# KiCad board revxlp.kicad_pcb
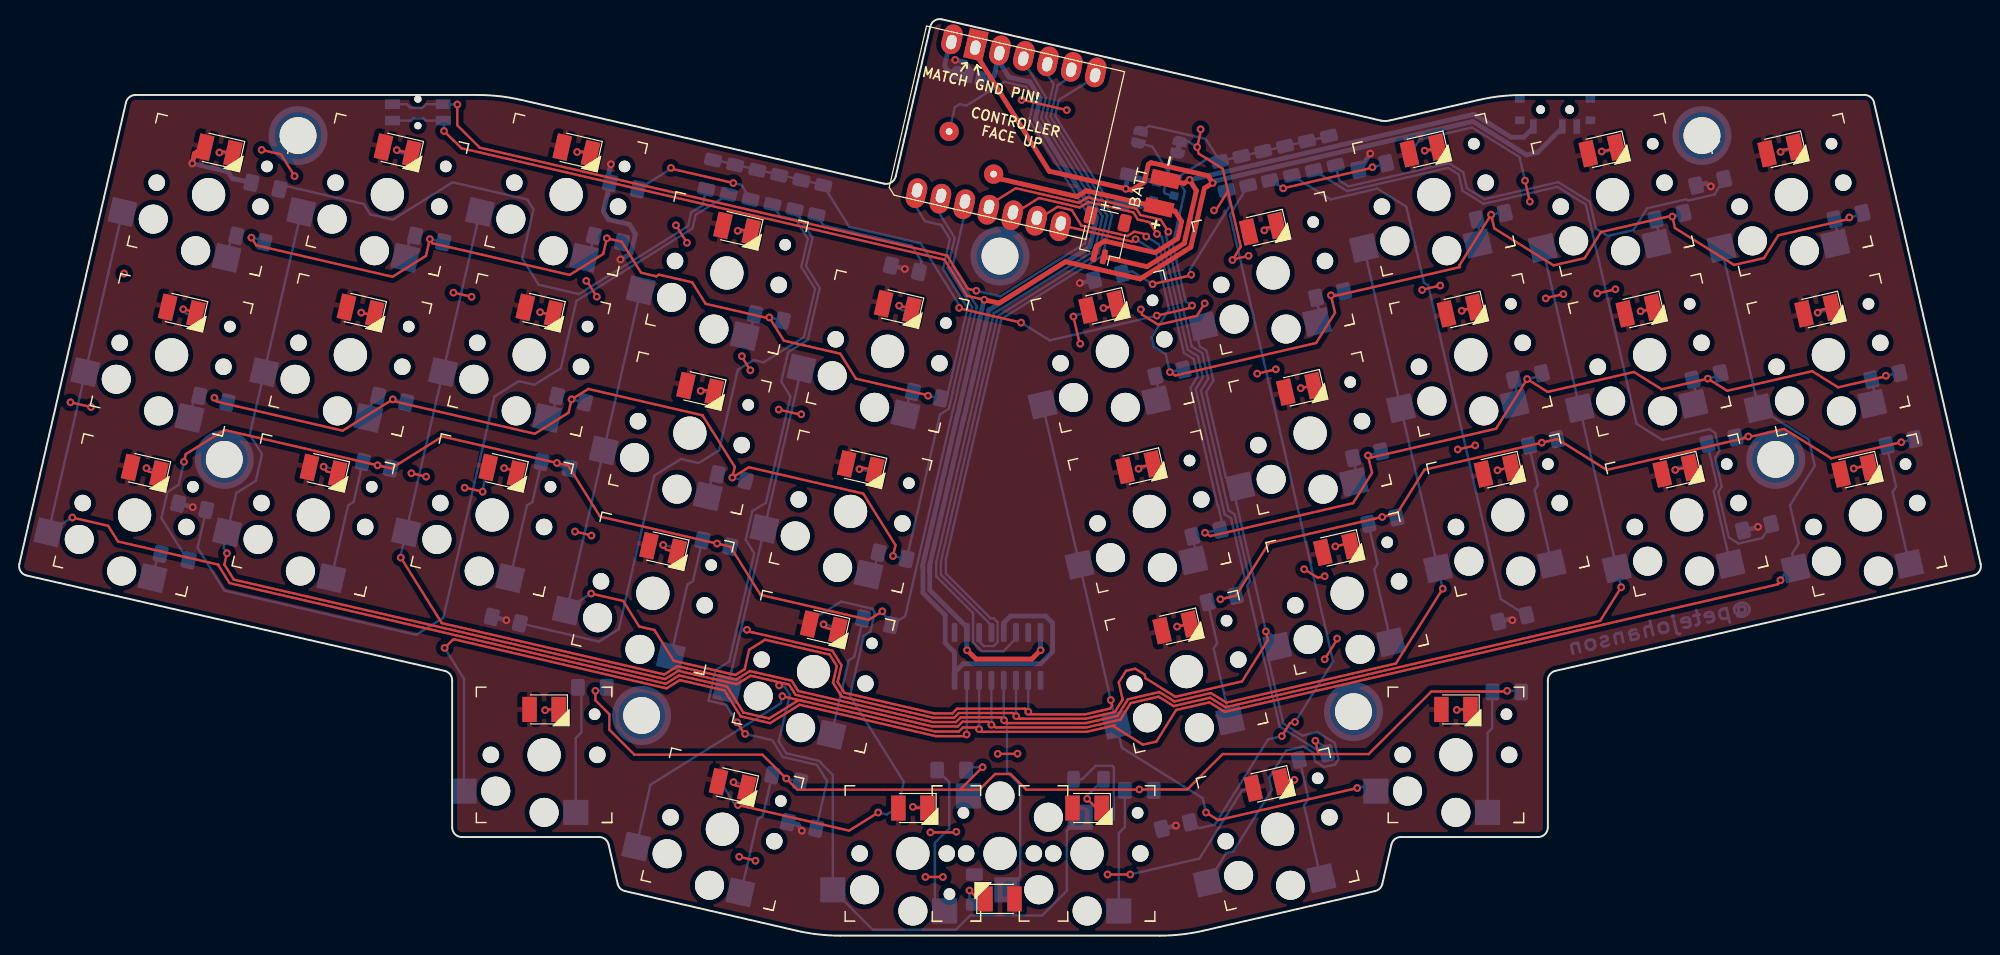
[diagram p0: board, top side]
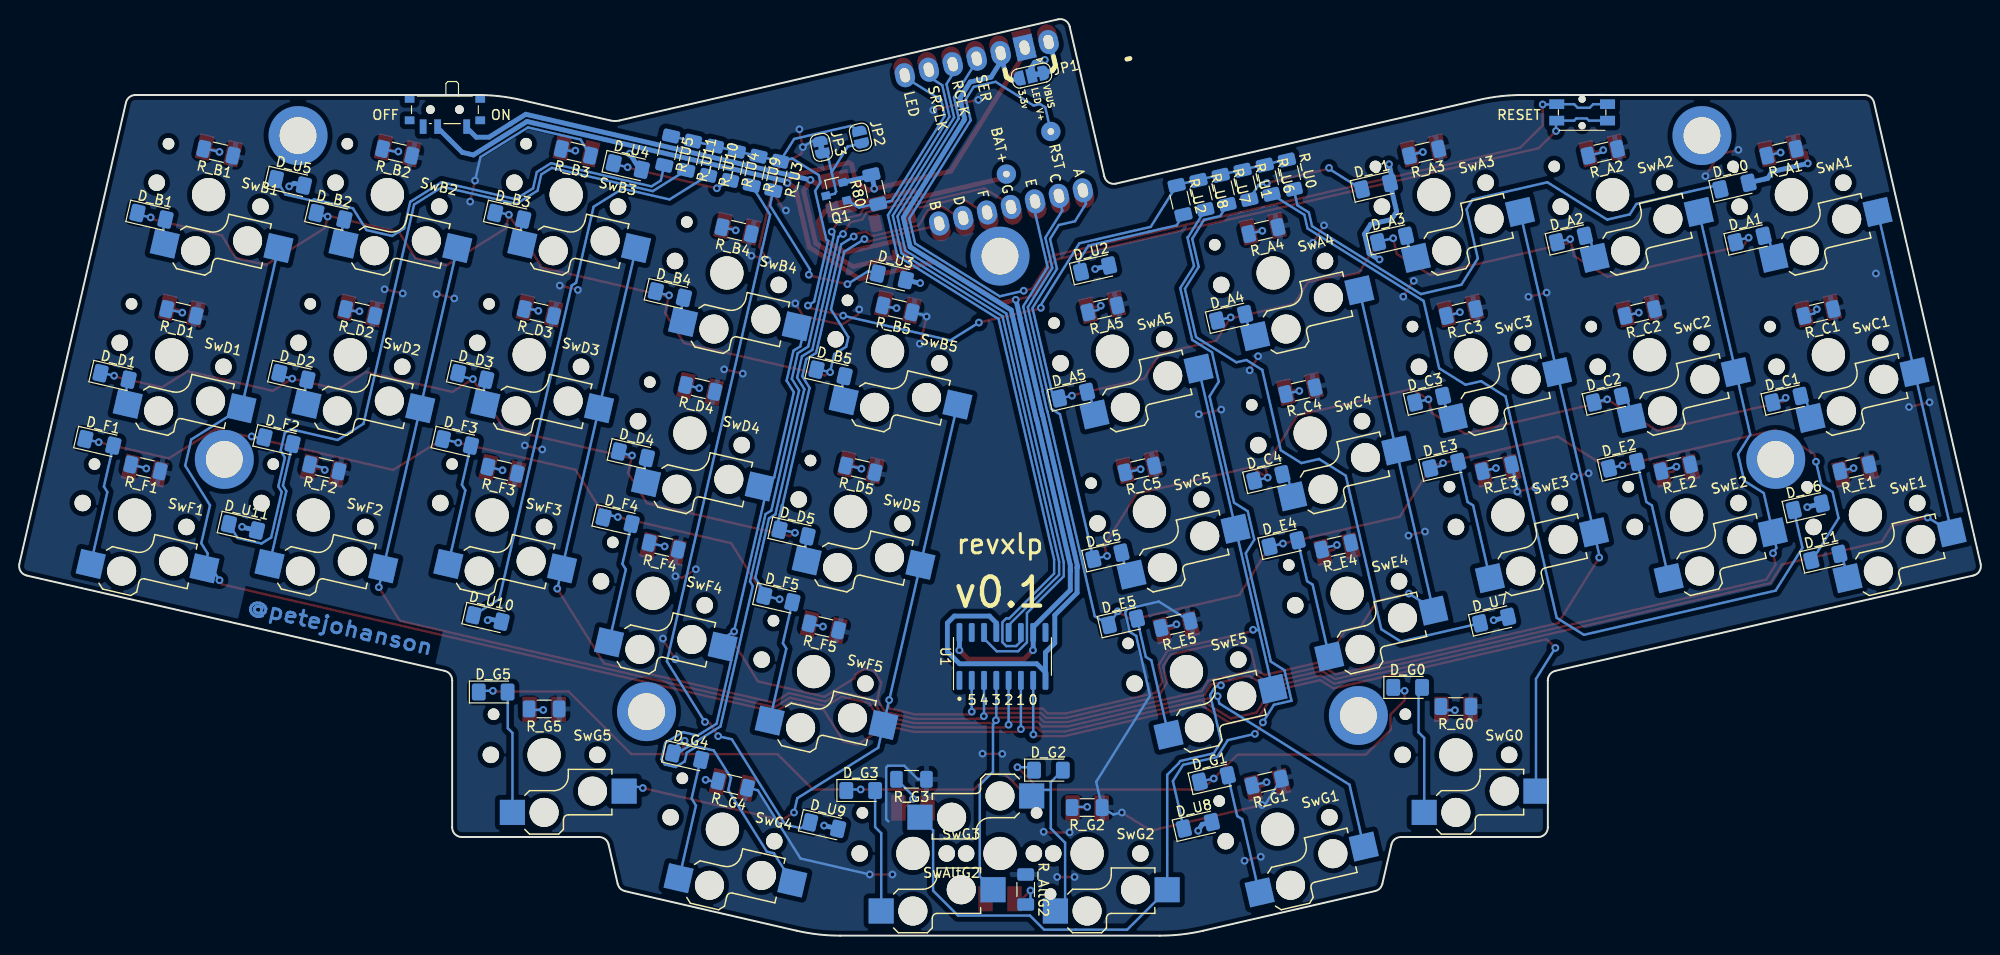
[diagram p1: board, bottom side, seen from below]

Outline 202.65 x 94.76 mm; copper layers: Top, Bottom. Coordinates in mm from the lower left corner of the outline.
Stack: Top 0.035mm / dielectric 1.51mm FR4 er 4.5 / Bottom 0.035mm

## Placement (name value [footprint] x y rotation side)
BT1  Battery_Cell  [cell_pads]  118.07 76.78 77 top
BT2  Battery_Cell  [JST_SH_SM02B-SRSS-TB_1x02-1MP_P1.00mm_Horizontal]  112.02 72.27 167 top
D_A1  D  [D_1206_3216Metric_Pad1.42x1.75mm_HandSolder]  23.87 72.04 167 bottom
D_A2  D  [D_1206_3216Metric_Pad1.42x1.75mm_HandSolder]  42.34 72.04 167 bottom
D_A3  D  [D_1206_3216Metric_Pad1.42x1.75mm_HandSolder]  60.82 72.04 167 bottom
D_A4  D  [D_1206_3216Metric_Pad1.42x1.75mm_HandSolder]  77.44 63.94 167 bottom
D_A5  D  [D_1206_3216Metric_Pad1.42x1.75mm_HandSolder]  93.78 55.9 167 bottom
D_B1  D  [D_1206_3216Metric_Pad1.42x1.75mm_HandSolder]  189 74.4 193 bottom
D_B2  D  [D_1206_3216Metric_Pad1.42x1.75mm_HandSolder]  170.51 74.4 193 bottom
D_B3  D  [D_1206_3216Metric_Pad1.42x1.75mm_HandSolder]  152.04 74.4 193 bottom
D_B4  D  [D_1206_3216Metric_Pad1.42x1.75mm_HandSolder]  135.43 66.3 193 bottom
D_B5  D  [D_1206_3216Metric_Pad1.42x1.75mm_HandSolder]  118.83 58.2 193 bottom
D_C1  D  [D_1206_3216Metric_Pad1.42x1.75mm_HandSolder]  20.04 55.48 167 bottom
D_C2  D  [D_1206_3216Metric_Pad1.42x1.75mm_HandSolder]  38.52 55.48 167 bottom
D_C3  D  [D_1206_3216Metric_Pad1.42x1.75mm_HandSolder]  56.99 55.48 167 bottom
D_C4  D  [D_1206_3216Metric_Pad1.42x1.75mm_HandSolder]  73.6 47.38 167 bottom
D_C5  D  [D_1206_3216Metric_Pad1.42x1.75mm_HandSolder]  90.22 39.28 167 bottom
D_D1  D  [D_1206_3216Metric_Pad1.42x1.75mm_HandSolder]  192.81 57.84 193 bottom
D_D2  D  [D_1206_3216Metric_Pad1.42x1.75mm_HandSolder]  174.34 57.84 193 bottom
D_D3  D  [D_1206_3216Metric_Pad1.42x1.75mm_HandSolder]  155.86 57.84 193 bottom
D_D4  D  [D_1206_3216Metric_Pad1.42x1.75mm_HandSolder]  139.26 49.74 193 bottom
D_D5  D  [D_1206_3216Metric_Pad1.42x1.75mm_HandSolder]  122.65 41.64 193 bottom
D_E1  D  [D_1206_3216Metric_Pad1.42x1.75mm_HandSolder]  16.05 39.15 167 bottom
D_E2  D  [D_1206_3216Metric_Pad1.42x1.75mm_HandSolder]  36.94 48.66 167 bottom
D_E3  D  [D_1206_3216Metric_Pad1.42x1.75mm_HandSolder]  55.42 48.66 167 bottom
D_E4  D  [D_1206_3216Metric_Pad1.42x1.75mm_HandSolder]  72.02 40.56 167 bottom
D_E5  D  [D_1206_3216Metric_Pad1.42x1.75mm_HandSolder]  88.62 32.46 167 bottom
D_F1  D  [D_1206_3216Metric_Pad1.42x1.75mm_HandSolder]  194.38 51.01 193 bottom
D_F2  D  [D_1206_3216Metric_Pad1.42x1.75mm_HandSolder]  175.87 51.19 193 bottom
D_F3  D  [D_1206_3216Metric_Pad1.42x1.75mm_HandSolder]  157.44 51.01 193 bottom
D_F4  D  [D_1206_3216Metric_Pad1.42x1.75mm_HandSolder]  140.83 42.92 193 bottom
D_F5  D  [D_1206_3216Metric_Pad1.42x1.75mm_HandSolder]  124.23 34.82 193 bottom
D_G0  D  [D_1206_3216Metric_Pad1.42x1.75mm_HandSolder]  59.2 25.67 180 bottom
D_G1  D  [D_1206_3216Metric_Pad1.42x1.75mm_HandSolder]  79.24 16.25 167 bottom
D_G2  D  [D_1206_3216Metric_Pad1.42x1.75mm_HandSolder]  96.32 17.12 180 bottom
D_G3  D  [D_1206_3216Metric_Pad1.42x1.75mm_HandSolder]  115.71 15.01 180 bottom
D_G4  D  [D_1206_3216Metric_Pad1.42x1.75mm_HandSolder]  133.65 18.52 193 bottom
D_G5  D  [D_1206_3216Metric_Pad1.42x1.75mm_HandSolder]  153.69 25.2 180 bottom
D_U0  LED  [D_1206_3216Metric_Pad1.42x1.75mm_HandSolder]  25.43 77.53 167 bottom
D_U1  LED  [D_1206_3216Metric_Pad1.42x1.75mm_HandSolder]  62.48 77.52 167 bottom
D_U2  LED  [D_1206_3216Metric_Pad1.42x1.75mm_HandSolder]  91.5 68.97 167 bottom
D_U3  LED  [D_1206_3216Metric_Pad1.42x1.75mm_HandSolder]  112.5 68.14 193 bottom
D_U4  LED  [D_1206_3216Metric_Pad1.42x1.75mm_HandSolder]  139.78 79.54 193 bottom
D_U5  LED  [D_1206_3216Metric_Pad1.42x1.75mm_HandSolder]  174.7 77.91 193 bottom
D_U6  LED  [D_1206_3216Metric_Pad1.42x1.75mm_HandSolder]  17.86 44.35 167 bottom
D_U7  LED  [D_1206_3216Metric_Pad1.42x1.75mm_HandSolder]  50.27 32.64 167 bottom
D_U8  LED  [D_1206_3216Metric_Pad1.42x1.75mm_HandSolder]  80.88 11.41 167 bottom
D_U9  LED  [D_1206_3216Metric_Pad1.42x1.75mm_HandSolder]  119.5 11.38 193 bottom
D_U10  LED  [D_1206_3216Metric_Pad1.42x1.75mm_HandSolder]  154.27 32.81 193 bottom
D_U11  LED  [D_1206_3216Metric_Pad1.42x1.75mm_HandSolder]  179.55 42.23 193 bottom
H1  MountingHole  [MountingHole_M2_Pad_NonPTH_TopOnly]  28.79 82.74 180 bottom
H2  MountingHole  [MountingHole_M2_Pad_NonPTH_TopOnly]  173.85 82.74 180 bottom
H3  MountingHole  [MountingHole_M2_Pad_NonPTH_TopOnly]  21.18 49.25 180 bottom
H4  MountingHole  [MountingHole_M2_Pad_NonPTH_TopOnly]  64.29 22.77 180 bottom
H5  MountingHole  [MountingHole_M2_Pad_NonPTH_TopOnly]  137.84 23.17 180 bottom
H6  MountingHole  [MountingHole_M2_Pad_NonPTH_TopOnly]  181.47 49.25 180 bottom
H7  MountingHole  [MountingHole_M2_Pad_NonPTH_TopOnly]  101.32 70.28 180 bottom
JP1  SolderJumper_3_Open  [SolderJumper-3_P1.3mm_Bridged12_RoundedPad1.0x1.5mm]  98.07 88.95 347 bottom
JP2  SolderJumper_2_Open  [SolderJumper-2_P1.3mm_Open_RoundedPad1.0x1.5mm]  115.74 82.58 257 bottom
JP3  SolderJumper_2_Bridged  [SolderJumper-2_P1.3mm_Bridged_RoundedPad1.0x1.5mm]  119.79 81.53 257 bottom
Q1  AO3416 N-channel MOSFET  [SOT-23]  118.33 76.74 347 bottom
R80  4.7k  [R_1206_3216Metric_Pad1.30x1.75mm_HandSolder]  114.26 77.19 77 bottom
R_A1  R  [R_1206_3216Metric_Pad1.30x1.75mm_HandSolder]  20.56 81.02 347 bottom
R_A2  R  [R_1206_3216Metric_Pad1.30x1.75mm_HandSolder]  39.04 81.02 347 bottom
R_A3  R  [R_1206_3216Metric_Pad1.30x1.75mm_HandSolder]  57.51 81.02 347 bottom
R_A4  R  [R_1206_3216Metric_Pad1.30x1.75mm_HandSolder]  74.12 72.92 347 bottom
R_A5  R  [R_1206_3216Metric_Pad1.30x1.75mm_HandSolder]  90.72 64.82 347 bottom
R_AltG2  R  [R_1206_3216Metric_Pad1.30x1.75mm_HandSolder]  98.67 4.77 270 bottom
R_B1  R  [R_1206_3216Metric_Pad1.30x1.75mm_HandSolder]  182.08 81.02 13 bottom
R_B2  R  [R_1206_3216Metric_Pad1.30x1.75mm_HandSolder]  163.61 81.02 13 bottom
R_B3  R  [R_1206_3216Metric_Pad1.30x1.75mm_HandSolder]  145.14 81.02 13 bottom
R_B4  R  [R_1206_3216Metric_Pad1.30x1.75mm_HandSolder]  128.53 72.92 13 bottom
R_B5  R  [R_1206_3216Metric_Pad1.30x1.75mm_HandSolder]  111.93 64.82 13 bottom
R_C1  R  [R_1206_3216Metric_Pad1.30x1.75mm_HandSolder]  16.74 64.45 347 bottom
R_C2  R  [R_1206_3216Metric_Pad1.30x1.75mm_HandSolder]  35.21 64.45 347 bottom
R_C3  R  [R_1206_3216Metric_Pad1.30x1.75mm_HandSolder]  53.69 64.45 347 bottom
R_C4  R  [R_1206_3216Metric_Pad1.30x1.75mm_HandSolder]  70.29 56.35 347 bottom
R_C5  R  [R_1206_3216Metric_Pad1.30x1.75mm_HandSolder]  86.9 48.26 347 bottom
R_D1  R  [R_1206_3216Metric_Pad1.30x1.75mm_HandSolder]  185.91 64.45 13 bottom
R_D2  R  [R_1206_3216Metric_Pad1.30x1.75mm_HandSolder]  167.43 64.45 13 bottom
R_D3  R  [R_1206_3216Metric_Pad1.30x1.75mm_HandSolder]  148.96 64.45 13 bottom
R_D4  R  [R_1206_3216Metric_Pad1.30x1.75mm_HandSolder]  132.3 56.6 13 bottom
R_D5  R  [R_1206_3216Metric_Pad1.30x1.75mm_HandSolder]  115.75 48.26 13 bottom
R_E1  R  [R_1206_3216Metric_Pad1.30x1.75mm_HandSolder]  13.03 48.38 347 bottom
R_E2  R  [R_1206_3216Metric_Pad1.30x1.75mm_HandSolder]  31.5 48.38 347 bottom
R_E3  R  [R_1206_3216Metric_Pad1.30x1.75mm_HandSolder]  49.98 48.38 347 bottom
R_E4  R  [R_1206_3216Metric_Pad1.30x1.75mm_HandSolder]  66.58 40.28 347 bottom
R_E5  R  [R_1206_3216Metric_Pad1.30x1.75mm_HandSolder]  83.18 32.18 347 bottom
R_F1  R  [R_1206_3216Metric_Pad1.30x1.75mm_HandSolder]  189.62 48.38 13 bottom
R_F2  R  [R_1206_3216Metric_Pad1.30x1.75mm_HandSolder]  171.14 48.38 13 bottom
R_F3  R  [R_1206_3216Metric_Pad1.30x1.75mm_HandSolder]  152.73 48.13 13 bottom
R_F4  R  [R_1206_3216Metric_Pad1.30x1.75mm_HandSolder]  136.07 40.28 13 bottom
R_F5  R  [R_1206_3216Metric_Pad1.30x1.75mm_HandSolder]  119.52 31.93 13 bottom
R_G0  R  [R_1206_3216Metric_Pad1.30x1.75mm_HandSolder]  54.22 23.7 0 bottom
R_G1  R  [R_1206_3216Metric_Pad1.30x1.75mm_HandSolder]  73.77 15.88 347 bottom
R_G2  R  [R_1206_3216Metric_Pad1.30x1.75mm_HandSolder]  92.32 13.25 0 bottom
R_G3  R  [R_1206_3216Metric_Pad1.30x1.75mm_HandSolder]  110.47 16.17 0 bottom
R_G4  R  [R_1206_3216Metric_Pad1.30x1.75mm_HandSolder]  128.94 15.64 13 bottom
R_G5  R  [R_1206_3216Metric_Pad1.30x1.75mm_HandSolder]  148.43 23.45 0 bottom
R_U0  R  [R_1206_3216Metric_Pad1.30x1.75mm_HandSolder]  71.32 78.71 257 bottom
R_U1  R  [R_1206_3216Metric_Pad1.30x1.75mm_HandSolder]  75.9 77.65 257 bottom
R_U2  R  [R_1206_3216Metric_Pad1.30x1.75mm_HandSolder]  82.72 76.08 257 bottom
R_U3  R  [R_1206_3216Metric_Pad1.30x1.75mm_HandSolder]  124.38 78.58 283 bottom
R_U4  R  [R_1206_3216Metric_Pad1.30x1.75mm_HandSolder]  128.86 79.61 283 bottom
R_U5  R  [R_1206_3216Metric_Pad1.30x1.75mm_HandSolder]  135.66 81.18 283 bottom
R_U6  R  [R_1206_3216Metric_Pad1.30x1.75mm_HandSolder]  73.61 78.18 257 bottom
R_U7  R  [R_1206_3216Metric_Pad1.30x1.75mm_HandSolder]  78.17 77.13 257 bottom
R_U8  R  [R_1206_3216Metric_Pad1.30x1.75mm_HandSolder]  80.46 76.6 257 bottom
R_U9  R  [R_1206_3216Metric_Pad1.30x1.75mm_HandSolder]  126.62 79.1 283 bottom
R_U10  R  [R_1206_3216Metric_Pad1.30x1.75mm_HandSolder]  131.13 80.14 283 bottom
R_U11  R  [R_1206_3216Metric_Pad1.30x1.75mm_HandSolder]  133.39 80.66 283 bottom
REF**  -  [OSHW-Symbol_6.7x6mm_mask]  101.32 46.3 0 top
REF**#2  -  [layout_r41]  101.32 86.94 0 top
rev41lp_edgecutPCB  rev41lp_edgecutBottomPlate10uTakeTwo  [rev41lp_edgecutBottomPlate10u]  101.32 86.94 0 top
SW1  SW_SPDT  [SW_SPDT_PCM12]  158.68 85.1 0 bottom
SW2  SW_Push  [Panasonic_EVQPUL_EVQPUC]  41.18 85.14 180 bottom
SwA1  SW_Push  [PG1350_socket_smdLed]  19.55 76.63 347 top
SwA2  SW_Push  [PG1350_socket_smdLed]  38.03 76.63 347 top
SwA3  SW_Push  [PG1350_socket_smdLed]  56.5 76.63 347 top
SwA4  SW_Push  [PG1350_socket_smdLed]  73.1 68.53 347 top
SwA5  SW_Push  [PG1350_socket_smdLed]  89.71 60.44 347 top
SwAltG2  SW_Push  [PG1350_socket_smdLed]  101.32 8.5 180 top
SwB1  SW_Push  [PG1350_socket_smdLed]  183.09 76.63 13 top
SwB2  SW_Push  [PG1350_socket_smdLed]  164.62 76.63 13 top
SwB3  SW_Push  [PG1350_socket_smdLed]  146.15 76.63 13 top
SwB4  SW_Push  [PG1350_socket_smdLed]  129.54 68.53 13 top
SwB5  SW_Push  [PG1350_socket_smdLed]  112.94 60.44 13 top
SwC1  SW_Push  [PG1350_socket_smdLed]  15.73 60.07 347 top
SwC2  SW_Push  [PG1350_socket_smdLed]  34.2 60.07 347 top
SwC3  SW_Push  [PG1350_socket_smdLed]  52.68 60.07 347 top
SwC4  SW_Push  [PG1350_socket_smdLed]  69.28 51.97 347 top
SwC5  SW_Push  [PG1350_socket_smdLed]  85.88 43.87 347 top
SwD1  SW_Push  [PG1350_socket_smdLed]  186.92 60.07 13 top
SwD2  SW_Push  [PG1350_socket_smdLed]  168.45 60.07 13 top
SwD3  SW_Push  [PG1350_socket_smdLed]  149.97 60.07 13 top
SwD4  SW_Push  [PG1350_socket_smdLed]  133.37 51.97 13 top
SwD5  SW_Push  [PG1350_socket_smdLed]  116.76 43.87 13 top
SwE1  SW_Push  [PG1350_socket_smdLed]  11.9 43.5 347 top
SwE2  SW_Push  [PG1350_socket_smdLed]  30.38 43.5 347 top
SwE3  SW_Push  [PG1350_socket_smdLed]  48.85 43.5 347 top
SwE4  SW_Push  [PG1350_socket_smdLed]  65.46 35.4 347 top
SwE5  SW_Push  [PG1350_socket_smdLed]  82.06 27.31 347 top
SwF1  SW_Push  [PG1350_socket_smdLed]  190.74 43.5 13 top
SwF2  SW_Push  [PG1350_socket_smdLed]  172.27 43.5 13 top
SwF3  SW_Push  [PG1350_socket_smdLed]  153.8 43.5 13 top
SwF4  SW_Push  [PG1350_socket_smdLed]  137.19 35.4 13 top
SwF5  SW_Push  [PG1350_socket_smdLed]  120.59 27.31 13 top
SwG0  SW_Push  [PG1350_socket_smdLed]  54.22 18.7 0 top
SwG1  SW_Push  [PG1350_socket_smdLed]  72.64 11.01 347 top
SwG2  SW_Push  [PG1350_socket_smdLed]  92.32 8.5 0 top
SwG3  SW_Push  [PG1350_socket_smdLed]  110.32 8.5 0 top
SwG4  SW_Push  [PG1350_socket_smdLed]  130 11.01 13 top
SwG5  SW_Push  [PG1350_socket_smdLed]  148.43 18.7 0 top
U1  74HC595  [SOIC-16_3.9x9.9mm_P1.27mm]  101.07 28.88 90 bottom
U2  SeeeduinoXIAO_BLE  [SeeeduinoXIAO-WideMouth-2.54-21X17.8MM]  110.19 72 77 top

## Library data of the parts
BT2 = -: lcsc part number: C160402
D_A1-D_A5 D_B1-D_B5 D_C1-D_C5 D_D1-D_D5 D_E1-D_E5 D_F1-D_F5 D_G0-D_G5 = -: lcsc part number: C81598
H1-H7 = -: LCSC Part Number: C2915626
Q1 = -: LCSC Part Number: C479060
R80 = -: LCSC Part Number: C17936
R_A1-R_A5 R_AltG2 R_B1-R_B5 R_C1-R_C5 R_D1-R_D5 R_E1-R_E5 R_F1-R_F5 R_G0-R_G5 R_U0-R_U11 = -: LCSC Part Number: C17901
SW1 = -: LCSC Part Number: C221841
SW2 = -: LCSC Part Number: C79174
U1 = -: LCSC Part Number: C10092

## Footprints (pads in the part's own frame, mm; a bottom-side part is the same pattern mirrored in y, then rotated)
cell_pads
  rect 1.5x3 smd: 1(-1.5,0) 2(1.5,0)
D_1206_3216Metric_Pad1.42x1.75mm_HandSolder
  rrect 1.425x1.75 smd: 1(-1.488,0) 2(1.488,0)
JST_SH_SM02B-SRSS-TB_1x02-1MP_P1.00mm_Horizontal
  rrect 0.6x1.55 smd: 1(-0.5,2) 2(0.5,2)
  rrect 1.2x1.8 smd: MP(-1.8,-1.875) MP(1.8,-1.875)
MountingHole_M2_Pad_NonPTH_TopOnly
  round 3.8 hole 3.8 unplated: (0,0)
  round 6.1 smd: 1(0,0)
Panasonic_EVQPUL_EVQPUC
  round 0.75 hole 0.75 unplated: (0,-1.375) (0,1.375)
  rect 1.55x1 smd: 1(-2.625,0.85) 1(2.625,0.85) 2(-2.625,-0.85) 2(2.625,-0.85)
PG1350_socket_smdLed
  round 1.702 hole 1.702 unplated: (-5.5,0) (5.5,0)
  round 3 hole 3 unplated: (-5,-3.75) (0,-5.95)
  round 3.429 hole 3.429 unplated: (0,0)
  round 1.2 hole 1.2 unplated: (5.22,4.2)
  rect 2.6x2.6 smd far side: 1(3.275,-5.95) 2(-8.275,-3.75)
  rect 1.5x2.6 smd: 3(1.5,4.7) 4(-1.5,4.7)
R_1206_3216Metric_Pad1.30x1.75mm_HandSolder
  rrect 1.3x1.75 smd: 1(-1.55,0) 2(1.55,0)
SeeeduinoXIAO-WideMouth-2.54-21X17.8MM
  oval 2.5x2 hole 1.5x1: 1(1.02,18.12) 2(1.02,15.585) 3(1.02,13.049) 4(1.02,10.5) 5(1.02,7.962) 6(1.02,5.422) 7(1.02,2.888) 8(16.76,2.878) 9(16.76,5.418) 10(16.76,7.958) 11(16.76,10.498) 12(16.76,13.038) 14(16.76,18.118)
  oval 3x2 smd: 1(1.27,18.118) 2(1.27,15.578) 3(1.27,13.049) 4(1.27,10.498) 5(1.27,7.958) 6(1.27,5.418) 7(1.27,2.878) 8(16.51,2.878) 9(16.51,5.418) 10(16.51,7.958) 11(16.51,10.498) 12(16.51,13.038) 14(16.51,18.118)
  rect 3x2 smd: 13(16.51,15.578)
  rect 2.5x2 hole 1.5x1: 13(16.76,15.578)
  round 2 hole 0.7: 15(7.699,16.264) 16(4.44,10.8)
SOIC-16_3.9x9.9mm_P1.27mm
  rrect 1.95x0.6 smd: 1(-2.475,4.445) 2(-2.475,3.175) 3(-2.475,1.905) 4(-2.475,0.635) 5(-2.475,-0.635) 6(-2.475,-1.905) 7(-2.475,-3.175) 8(-2.475,-4.445) 9(2.475,-4.445) 10(2.475,-3.175) 11(2.475,-1.905) 12(2.475,-0.635) 13(2.475,0.635) 14(2.475,1.905) 15(2.475,3.175) 16(2.475,4.445)
SolderJumper-2_P1.3mm_Bridged_RoundedPad1.0x1.5mm
  custom 1x1.5 smd: 1(-0.65,0) 2(0.65,0)
SolderJumper-2_P1.3mm_Open_RoundedPad1.0x1.5mm
  custom 1x1.5 smd: 1(-0.65,0) 2(0.65,0)
SolderJumper-3_P1.3mm_Bridged12_RoundedPad1.0x1.5mm
  custom 1.05x1.5 smd: 1(-1.3,0) 3(1.3,0)
  rect 1x1.5 smd: 2(0,0)
SOT-23
  rect 0.9x0.8 smd: 1(-1,0.95) 2(-1,-0.95) 3(1,0)
SW_SPDT_PCM12
  rect 1x0.8 smd: (-3.65,-1.43) (-3.65,0.78) (3.65,-1.43) (3.65,0.78)
  round 0.9 hole 0.9 unplated: (-1.5,-0.33) (1.5,-0.33)
  rect 0.7x1.5 smd: 1(-2.25,1.43) 2(0.75,1.43) 3(2.25,1.43)

## Nets
+3V3: JP1.3 U1.10 U1.16 U2.12
+5V: D_U0.2 D_U1.2 D_U2.2 D_U3.2 D_U4.2 D_U5.2 D_U6.2 D_U7.2 D_U8.2 D_U9.2 D_U10.2 D_U11.2 JP1.2 SwA1.4 SwA2.4 SwA3.4 SwA4.4 SwA5.4 SwAltG2.4 SwB1.4 SwB2.4 SwB3.4 SwB4.4 SwB5.4 SwC1.4 SwC2.4 SwC3.4 SwC4.4 SwC5.4 SwD1.4 SwD2.4 SwD3.4 SwD4.4 SwD5.4 SwE1.4 SwE2.4 SwE3.4 SwE4.4 SwE5.4 SwF1.4 SwF2.4 SwF3.4 SwF4.4 SwF5.4 SwG0.4 SwG1.4 SwG2.4 SwG3.4 SwG4.4 SwG5.4
GND: Q1.2 R80.2 SW1.2 SW2.2 U1.8 U1.13 U2.13
BAT+: BT1.1 BT2.2 U2.16
col0: SwG0.2 U1.7
col1: SwA1.2 SwB1.2 SwC1.2 SwD1.2 SwE1.2 SwF1.2 SwG1.2 U1.6
col2: SwA2.2 SwAltG2.2 SwB2.2 SwC2.2 SwD2.2 SwE2.2 SwF2.2 SwG2.2 U1.5
col3: SwA3.2 SwB3.2 SwC3.2 SwD3.2 SwE3.2 SwF3.2 SwG3.2 U1.4
col4: SwA4.2 SwB4.2 SwC4.2 SwD4.2 SwE4.2 SwF4.2 SwG4.2 U1.3
col5: SwA5.2 SwB5.2 SwC5.2 SwD5.2 SwE5.2 SwF5.2 SwG5.2 U1.2
ledBottomOut: JP2.1 R_U0.1 R_U1.1 R_U2.1 R_U3.1 R_U4.1 R_U5.1 R_U6.1 R_U7.1 R_U8.1 R_U9.1 R_U10.1 R_U11.1
ledOut: JP3.1 R_A1.1 R_A2.1 R_A3.1 R_A4.1 R_A5.1 R_AltG2.1 R_B1.1 R_B2.1 R_B3.1 R_B4.1 R_B5.1 R_C1.1 R_C2.1 R_C3.1 R_C4.1 R_C5.1 R_D1.1 R_D2.1 R_D3.1 R_D4.1 R_D5.1 R_E1.1 R_E2.1 R_E3.1 R_E4.1 R_E5.1 R_F1.1 R_F2.1 R_F3.1 R_F4.1 R_F5.1 R_G0.1 R_G1.1 R_G2.1 R_G3.1 R_G4.1 R_G5.1
ledTrig: Q1.1 R80.1 U2.8
MISO: U1.12 U2.10
MOSI: U1.14 U2.11
rowA: D_A1.1 D_A2.1 D_A3.1 D_A4.1 D_A5.1 U2.1
rowB: D_B1.1 D_B2.1 D_B3.1 D_B4.1 D_B5.1 U2.7
rowC: D_C1.1 D_C2.1 D_C3.1 D_C4.1 D_C5.1 U2.2
rowD: D_D1.1 D_D2.1 D_D3.1 D_D4.1 D_D5.1 U2.6
rowE: D_E1.1 D_E2.1 D_E3.1 D_E4.1 D_E5.1 U2.3
rowF: D_F1.1 D_F2.1 D_F3.1 D_F4.1 D_F5.1 U2.5
rowG: D_G0.1 D_G1.1 D_G2.1 D_G3.1 D_G4.1 D_G5.1 U2.4
RST: SW2.1 U2.15
SCK: U1.11 U2.9
Net-(BT1-Pad2): BT1.2 BT2.1 SW1.1
Net-(D_A1-Pad2): D_A1.2 SwA1.1
Net-(D_A2-Pad2): D_A2.2 SwA2.1
Net-(D_A3-Pad2): D_A3.2 SwA3.1
Net-(D_A4-Pad2): D_A4.2 SwA4.1
Net-(D_A5-Pad2): D_A5.2 SwA5.1
Net-(D_B1-Pad2): D_B1.2 SwB1.1
Net-(D_B2-Pad2): D_B2.2 SwB2.1
Net-(D_B3-Pad2): D_B3.2 SwB3.1
Net-(D_B4-Pad2): D_B4.2 SwB4.1
Net-(D_B5-Pad2): D_B5.2 SwB5.1
Net-(D_C1-Pad2): D_C1.2 SwC1.1
Net-(D_C2-Pad2): D_C2.2 SwC2.1
Net-(D_C3-Pad2): D_C3.2 SwC3.1
Net-(D_C4-Pad2): D_C4.2 SwC4.1
Net-(D_C5-Pad2): D_C5.2 SwC5.1
Net-(D_D1-Pad2): D_D1.2 SwD1.1
Net-(D_D2-Pad2): D_D2.2 SwD2.1
Net-(D_D3-Pad2): D_D3.2 SwD3.1
Net-(D_D4-Pad2): D_D4.2 SwD4.1
Net-(D_D5-Pad2): D_D5.2 SwD5.1
Net-(D_E1-Pad2): D_E1.2 SwE1.1
Net-(D_E2-Pad2): D_E2.2 SwE2.1
Net-(D_E3-Pad2): D_E3.2 SwE3.1
Net-(D_E4-Pad2): D_E4.2 SwE4.1
Net-(D_E5-Pad2): D_E5.2 SwE5.1
Net-(D_F1-Pad2): D_F1.2 SwF1.1
Net-(D_F2-Pad2): D_F2.2 SwF2.1
Net-(D_F3-Pad2): D_F3.2 SwF3.1
Net-(D_F4-Pad2): D_F4.2 SwF4.1
Net-(D_F5-Pad2): D_F5.2 SwF5.1
Net-(D_G0-Pad2): D_G0.2 SwG0.1
Net-(D_G1-Pad2): D_G1.2 SwG1.1
Net-(D_G2-Pad2): D_G2.2 SwAltG2.1 SwG2.1
Net-(D_G3-Pad2): D_G3.2 SwG3.1
Net-(D_G4-Pad2): D_G4.2 SwG4.1
Net-(D_G5-Pad2): D_G5.2 SwG5.1
Net-(D_U1-Pad1): D_U1.1 R_U1.2
Net-(D_U2-Pad1): D_U2.1 R_U2.2
Net-(D_U3-Pad1): D_U3.1 R_U3.2
Net-(D_U4-Pad1): D_U4.1 R_U4.2
Net-(D_U5-Pad1): D_U5.1 R_U5.2
Net-(D_U6-Pad1): D_U6.1 R_U6.2
Net-(D_U7-Pad1): D_U7.1 R_U7.2
Net-(D_U8-Pad1): D_U8.1 R_U8.2
Net-(D_U9-Pad1): D_U9.1 R_U9.2
Net-(D_U10-Pad1): D_U10.1 R_U10.2
Net-(D_U11-Pad1): D_U11.1 R_U11.2
Net-(Q1-Pad3): JP2.2 JP3.2 Q1.3
Net-(R_A1-Pad2): R_A1.2 SwA1.3
Net-(R_A2-Pad2): R_A2.2 SwA2.3
Net-(R_A3-Pad2): R_A3.2 SwA3.3
Net-(R_A4-Pad2): R_A4.2 SwA4.3
Net-(R_A5-Pad2): R_A5.2 SwA5.3
Net-(R_AltG2-Pad2): R_AltG2.2 SwAltG2.3
Net-(R_B1-Pad2): R_B1.2 SwB1.3
Net-(R_B2-Pad2): R_B2.2 SwB2.3
Net-(R_B3-Pad2): R_B3.2 SwB3.3
Net-(R_B4-Pad2): R_B4.2 SwB4.3
Net-(R_B5-Pad2): R_B5.2 SwB5.3
Net-(R_C1-Pad2): R_C1.2 SwC1.3
Net-(R_C2-Pad2): R_C2.2 SwC2.3
Net-(R_C3-Pad2): R_C3.2 SwC3.3
Net-(R_C4-Pad2): R_C4.2 SwC4.3
Net-(R_C5-Pad2): R_C5.2 SwC5.3
Net-(R_D1-Pad2): R_D1.2 SwD1.3
Net-(R_D2-Pad2): R_D2.2 SwD2.3
Net-(R_D3-Pad2): R_D3.2 SwD3.3
Net-(R_D4-Pad2): R_D4.2 SwD4.3
Net-(R_D5-Pad2): R_D5.2 SwD5.3
Net-(R_E1-Pad2): R_E1.2 SwE1.3
Net-(R_E2-Pad2): R_E2.2 SwE2.3
Net-(R_E3-Pad2): R_E3.2 SwE3.3
Net-(R_E4-Pad2): R_E4.2 SwE4.3
Net-(R_E5-Pad2): R_E5.2 SwE5.3
Net-(R_F1-Pad2): R_F1.2 SwF1.3
Net-(R_F2-Pad2): R_F2.2 SwF2.3
Net-(R_F3-Pad2): R_F3.2 SwF3.3
Net-(R_F4-Pad2): R_F4.2 SwF4.3
Net-(R_F5-Pad2): R_F5.2 SwF5.3
Net-(R_G0-Pad2): R_G0.2 SwG0.3
Net-(R_G1-Pad2): R_G1.2 SwG1.3
Net-(R_G2-Pad2): R_G2.2 SwG2.3
Net-(R_G3-Pad2): R_G3.2 SwG3.3
Net-(R_G4-Pad2): R_G4.2 SwG4.3
Net-(R_G5-Pad2): R_G5.2 SwG5.3
Net-(R_U0-Pad2): D_U0.1 R_U0.2
Net-(U2-Pad14): JP1.1 U2.14